# Altium PCB Fri3D_2020_00.PcbDoc (part 1 of 2) (continued)
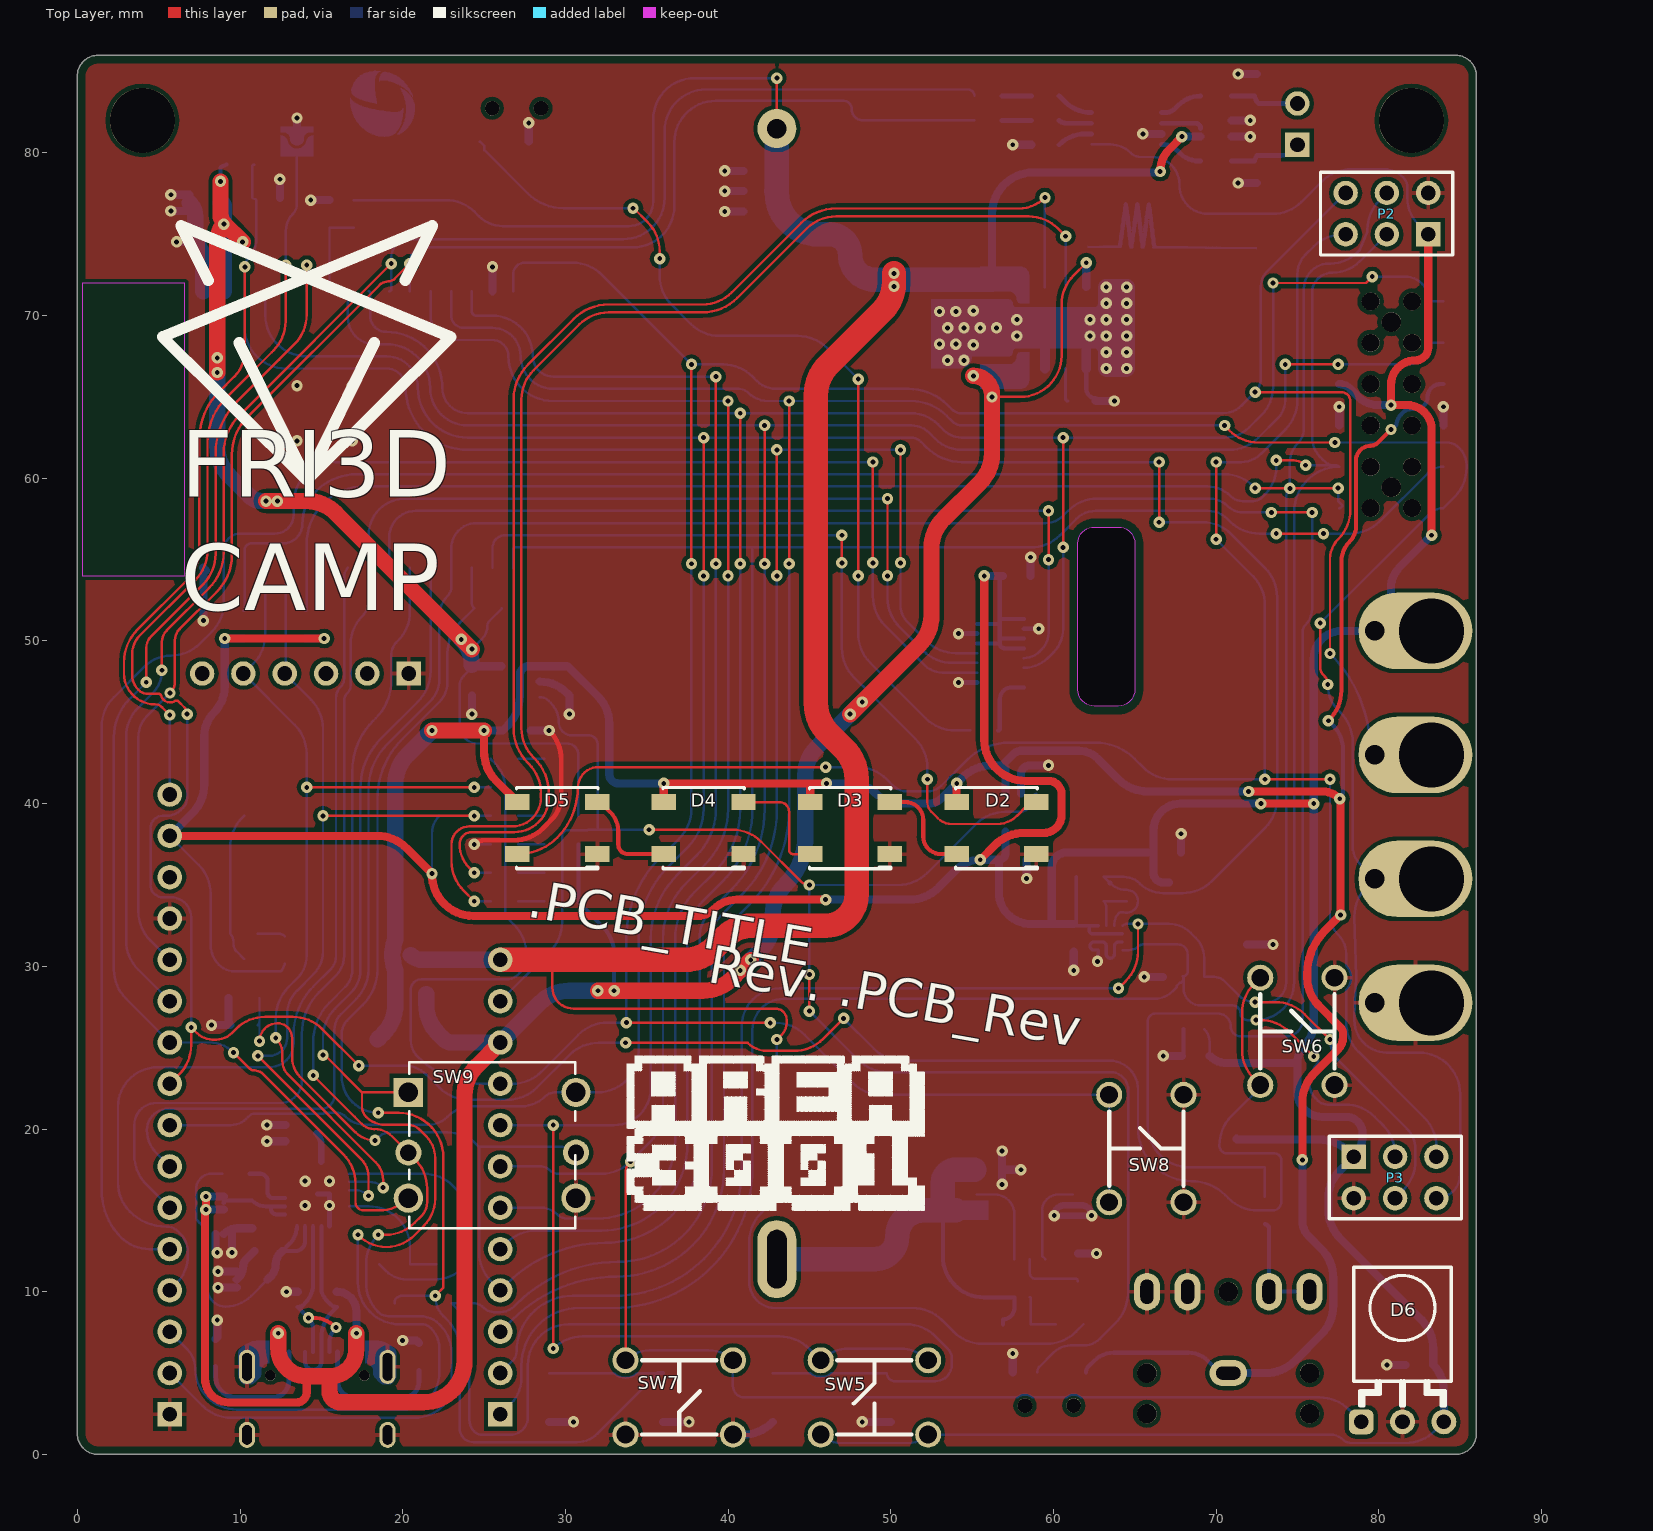
[diagram p0: Top Layer view]
## Footprints (in the part's own frame and the unit in brackets; to place one, negate y for a bottom-side part, rotate by r counter-clockwise, add the part's x,y. Pads: shape width x height; smd on the part's side, far side on the other; paste and mask are expansions set on the pad) (continued)
SMA_AC [mm] "DO-214AC or SMA footprint with A and C pads"
  rect 2.6x1.7 smd: A(-2.05,0) C(2.05,0)
  silkscreen extent -2.3,-1.45 2.3,1.45, body extent -2.6,-1.3 2.6,1.3, height 2.3
SOIC_N_8 [mm] "150 mil body width"
  oval 2.2x0.6 smd: 1(-2.4,1.905) 2(-2.4,0.635) 3(-2.4,-0.635) 4(-2.4,-1.905) 5(2.4,-1.905) 6(2.4,-0.635) 7(2.4,0.635) 8(2.4,1.905)
  silkscreen extent -2.53,-2.5 0.9,2.88, body extent -3,-2.45 3,2.45, height 1.75
SOIC_N_8_TH [mm] "150 mil body width with Exposed Thermal Pad"
  oval 2x0.6 smd: 1(-2.5,1.905) 2(-2.5,0.635) 3(-2.5,-0.635) 4(-2.5,-1.905) 5(2.5,-1.905) 6(2.5,-0.635) 7(2.5,0.635) 8(2.5,1.905)
  rect 2.41x3.3 smd: 9(0,0)
  silkscreen extent -2.52,-2.5 0.9,2.88, body extent -3,-2.45 3,2.45, height 1.75
SOLDER_SW_V_1MM [mm] "1 mm Custom solder switch"
  round 0.5 smd mask+0.05: 1(0,0)
  rect 1x0.4 smd mask+0.05: 2(0,-1)
  Top Layer region: -1,-1.2 -1,-0.7 -1,0.074 -0.831,0.043 -0.69,-0.054 -0.6,-0.2 -0.6,-0.2 -0.497,-0.47 -0.28,-0.661 0,-0.73 0.28,-0.661 0.497,-0.47 0.6,-0.2 0.6,-0.2 0.69,-0.054 0.832,0.043 1,0.074 1,0.074 1,-0.7 1,-1.2
  Top Layer region: -1.01,0.275 -1.01,0.6 1,0.6 1,0.275 0.767,0.269 0.56,0.162 0.42,-0.025 0.42,-0.025 0.408,-0.239 0.294,-0.42 0.107,-0.524 -0.107,-0.524 -0.294,-0.42 -0.408,-0.239 -0.42,-0.025 -0.42,-0.025 -0.563,0.163 -0.773,0.271 -1.01,0.275
SOT23-3 [mm] "SOT-23; 3 Leads; Body 3.1 x 2.5 mm, inc. leads (LxW max)"
  rect 0.85x1 smd: 1(-0.95,-1.2) 2(0.95,-1.2) 3(0,1.2)
  silkscreen extent -1.27,-0.3 1.28,0.7, body extent -1.5,-1.32 1.5,1.32, height 1.08
SOT23-5 [mm] "SOT23, 5-Leads, Body 3,1x3,2mm (max), Pitch 0,95mm, IPC Medium Density"
  rect 1.15x0.6 smd: 1(-1.175,0.95) 2(-1.175,0) 3(-1.175,-0.95) 4(1.175,-0.95) 5(1.175,0.95)
  silkscreen extent -1.3,-1.55 0.2,1.92, body extent -1.4,-1.45 1.4,1.45, height 1.45
SOT23-6 [mm] "SOT23, 6-Leads, Body 3,1x3,2mm (max), Pitch 0,95mm, IPC Medium Density"
  rect 1.15x0.6 smd: 1(-1.175,0.95) 2(-1.175,0) 3(-1.175,-0.95) 4(1.175,-0.95) 5(1.175,0) 6(1.175,0.95)
  silkscreen extent -1.3,-1.55 0.2,1.92, body extent -1.5,-1.55 1.5,1.55, height 1.4
STM_LGA12_2x2 [mm] "STM LGA12 2x2"
  rect 0.275x0.25 smd: 1(-0.75,0.75) 2(-0.75,0.25) 3(-0.75,-0.25) 4(-0.75,-0.75) 7(0.75,-0.75) 8(0.75,-0.25) 9(0.75,0.25) 10(0.75,0.75)
  rect 0.25x0.275 smd: 5(-0.25,-0.75) 6(0.25,-0.75) 11(0.25,0.75) 12(-0.25,0.75)
  silkscreen extent -1.35,-1 1,1.35, body extent -1.07,-1.08 1.07,1.07, height 1
TACTSW [mm]
  round 1.6 hole 1.1: 1(-2.286,3.302) 1(-2.286,-3.302) 2(2.286,3.302) 2(2.286,-3.302)
  silkscreen extent -2.29,-2.29 2.29,2.29, body extent -3.1,-3.95 3.1,3.95, height 4.31
TACTSW_5W_K1-1506DN-01 [mm] "5W TH TACT SW"
  rect 1.8x1.8 hole 1.2: 1(-5.15,3.25)
  round 1.6 hole 1: 2(-5.15,-0.45) 5(5.15,-0.45)
  round 1.8 hole 1.2: 3(-5.15,-3.25) 4(5.15,-3.25) 6(5.15,3.25)
  silkscreen extent -5.1,-5.1 5.1,5.1, body extent -5.1,-5.1 5.1,5.1, height 10
TP_0.8mm [mm] "0.8mm pad"
  round 0.8 smd mask+0.05: 1(0,0)
  silkscreen extent -0.5,-0.5 0.5,0.5
TSSOP_8_65P [mm] "TSOP, 8-Leads, Body 3,00x4,40mm, Pitch 0,65mm,  IPC Medium Density"
  oval 1.4x0.45 smd: 1(-2.95,0.975) 2(-2.95,0.325) 3(-2.95,-0.325) 4(-2.95,-0.975) 5(2.95,-0.975) 6(2.95,-0.325) 7(2.95,0.325) 8(2.95,0.975)
  silkscreen extent -3.07,-1.57 1.85,1.87, body extent -3.2,-1.5 3.2,1.5, height 1.2
VIS_TSOP381x_BENT [mil] "Vischay IR Receiver bent"
  rrect50% 60x60 hole 35.43: 1(-100,0)
  round 60 hole 35.43: 2(0,0) 3(100,0)
  silkscreen extent -118,39 118,374, body extent -122,-51 122,374, height 244
WE_430181038816 [mm] "Miniature SMD TACT SW"
  rect 2x1.4 smd: 1(-3.5,1.5) 1(3.5,1.5) 2(-3.5,-1.5) 2(3.5,-1.5)
  silkscreen extent -2.35,-2.35 2.35,2.35, body extent -3.75,-2.25 3.75,2.25, height 3.8
WE_450404015514 [mm] "=Comment"
  rect 0.7x1.1 smd: 1(2.25,-2.05) 2(-0.75,-2.05) 3(-2.25,-2.05)
  round 0.9 hole 0.9 unplated: M1(-1.5,0) M2(1.5,0)
  rect 1x0.8 smd: M3(-3.75,1.15) M4(3.75,1.15) M5(-3.75,-1.15) M6(3.75,-1.15)
  silkscreen extent -3.1,-1.35 3.1,2.85, body extent -3.85,-2.25 3.85,2.88, height 1.42
WE_610312243021_POST [mm] "Connector; Receptable; 6x2 Position SMD Low Profile"
  rect 0.9x2 smd: 1(-6.35,-3.2) 2(-6.35,3.2) 3(-3.81,-3.2) 4(-3.81,3.2) 5(-1.27,-3.2) 6(-1.27,3.2) 7(1.27,-3.2) 8(1.27,3.2) 9(3.81,-3.2) 10(3.81,3.2) 11(6.35,-3.2) 12(6.35,3.2)
  round 1.1 hole 1.1 unplated: ""(-6.35,-1.27) ""(-6.35,1.27) ""(-3.81,-1.27) ""(-3.81,1.27) ""(-1.27,-1.27) ""(-1.27,1.27) ""(1.27,-1.27) ""(1.27,1.27) ""(3.81,-1.27) ""(3.81,1.27) ""(6.35,-1.27) ""(6.35,1.27)
  round 1.2 hole 1.2 unplated: ""(-5.08,0) ""(5.08,0)
  silkscreen extent -7.87,-2.54 7.87,2.54, body extent -7.62,-3.6 7.62,3.6, height 3.7
WE_620102131822 [mm]
  rect 1.5x3.4 smd: 1(0,0) 2(2,0)
  rect 1.4x3.1 smd: M1(-2.3,-5.65) M2(4.3,-5.65)
  silkscreen extent -3,-7.23 5,0.37, body extent -3,-7.23 5,1.37, height 5.65

## Part data
BAT1: library part "18650 Battery holder spring CN", "=Description", Supplier Part Number 1=39761834568, Supplier 1=TaoBao
BUZ1: library part "BUZ # CUI CMT-1203-SMT", "Crystal Oscillator", Supplier Part Number 1=102-2197-1-ND, Supplier 1=Digikey, Supplier 2=Aliexpress, Supplier Part Number 2=KLJ-1230
C1 C2 C3 C4 C5 C6 C8 C10 C19 C21: library part "CAP # 100nF 16V 0603", "Capacitor Ceramic"
C7 C9 C11 C16 C17 C18 C26: library part "CAP # 10uF 10V 0805", "Capacitor Ceramic", Supplier Part Number 1=2320859, Supplier 1=Farnell
C12 C13 C14 C15 C20: library part "CAP # 1uF 16V 0603", "Capacitor Ceramic", Supplier Part Number 1=2320814, Supplier 1=Farnell
C22 C23: library part "CAP # 100nF 50V 0603", "Capacitor Ceramic", Supplier Part Number 1=1759122, Supplier 1=Farnell
C24 C25: library part "CAP # 1nF 16V 0603", "Capacitor Ceramic"
C27: library part "CAP # 1uF 50V 0603", "Capacitor Ceramic", Supplier Part Number 1=2112858, Supplier 1=Farnell
D1: library part "TVS # IP4220CZ6 Dual USB", "=Description", Supplier Part Number 1=2143248, Supplier 1=Farnell
D2 D3 D4 D5: library part "LED # RGB WS2812B-5050 BL", "=Description", Supplier Part Number 1="WS2812B Black 5050", Supplier 1=Aliexpress
D6: library part "PHO IR Rx RA", "=Description", Supplier Part Number 1=C264262, Supplier 1=LCSC
D11 D12 D16: library part "LED # Red 0805", "=Description", Supplier Part Number 1=2099236, Supplier 1=Farnell
D13 D15: library part "LED # Green 0805", "=Description", Supplier Part Number 1=2099239, Supplier 1=Farnell
D14: library part "LED # Blue 0805", "=Description", Supplier Part Number 1=2217980, Supplier 1=Farnell
D17: library part "Schottky # MBRA210LT3G", "=Description"
F1 F2: library part "FER # 600R 2A 0805 0R10", Supplier Part Number 1=1838838, Supplier 1=Farnell
J1: library part "AUDIO JACK 3.5 3c SJ1-3525NG", "=Description", Supplier Part Number 1=CP1-3525NG-ND, Supplier 1=Digi-key
J2: library part "USB # C 2.0 RCPT TYPE-C-31-M-12", Supplier Part Number 1="HRO TYPE-C-31-M-12", Supplier 1=China, Supplier 2=LCSC, Supplier 3="LCSC ALT", Supplier Part Number 2=C165948, Supplier Part Number 3="C167321 / C319148"
MOD1: library part "WiFi # MOD ESP-WROVER-32", "WiFi # MOD ESP-WROVER-32", Supplier Part Number 1=ESP-WROVER-32, Supplier 1=Espressif
P1: library part "SOLDER SW V 1MM"
P2 P3: library part "Receptacle 2.54mm dual row 6way"
P4: library part "Pin Header 2.54mm 12way"
P5: library part "Pin Header 2.54mm 16way"
P6: library part "HDR # SHR 2.0mm 2way - 620102131822", Supplier 1=Wurth
P7: library part "Pin Header 2.54mm 6way"
P8: library part "FPC # 15 Bottom 0.3mm AFE03-S15FMA-1H", Supplier Part Number 1=C262541, Supplier 1=LCSC
P9: library part "Receptacle # 2.54mm dual row 12way 610312243021", Supplier Part Number 1=610312243021, Supplier 1=Wurth
P10: library part "Pin Header 2.54mm 2way"
R1 R2 R4 R5 R6 R7 R11 R12 R13 R14 R15: library part "RES # 5K1 0603", Supplier Part Number 1=2845922, Supplier 1=Farnell
R3 R16 R18 R19 R20 R21 R23 R24 R25 R26: library part "RES # 1K2 0603"
R8 R9 R10 R28: library part "RES # 100R 0603"
R17 R22: library part "RES # 100K 0603"
R27: library part "RES # 0R 0603", Supplier Part Number 1=2447743, Supplier 1=Farnell
R29 R30: library part "RES # 10K 0603", Supplier Part Number 1=2502397, Supplier 1=Farnell
SW1 SW3: library part "SW # TACT small 4.5x4.5mm SMD WS-TASV"
SW2 SW4: library part "SW # 1P2T WS-SLSU mini slide 6,7 x 2,7 mm"
SW5 SW6 SW7 SW8: library part "SW TACT"
SW9: library part "SW TACT 5W K1-1506DN-01", Supplier Part Number 1=C145911, Supplier 1=LCSC
T1: library part "FS8205A Dual N-Ch common Drain for DW01-P", "=Description", Supplier Part Number 1=FS8205A, Supplier 1=AliExpress
T2 T3 T4: library part "BSS138 N-Ch MOSFET 0.2A 3.2Vgs 60Vds", Supplier Part Number 1=2432717, Supplier 1=Farnell
T5: library part "SL2302 P-Ch MOSFET 4.1A 20Vds", "=Description"
TP1 TP2 TP3 TP4 TP11: library part "TP # 0.8mm"
U1: library part "CRYPTO # ATECC608A I2C SOIC-8", "=Description", Supplier Part Number 1=2920872, Supplier 1=Farnell, Supplier 2=Digi-key, Supplier 3=Mouser, Supplier Part Number 2=ATECC608A-SSHDA-TCT-ND, Supplier Part Number 3=556-ATECC608ASSHDAT
U2: library part "ACCELERO # LIS2DH12", "=Description"
U3: library part "CP2102N # QFN24 USB UART", "=Description", Supplier Part Number 1=2577278, Supplier 1=Farnell, Supplier 2=Digikey, Supplier Part Number 2=336-3693-ND
U4 U5: library part "LDO # 3V3 XC6210B33", "=Designator", Supplier Part Number 1=1057803, Supplier 1=Farnell
U6: library part "CHG # TP4056 LiIon 1A", "=Description", Supplier Part Number 1=TP4056, Supplier 1=Aliexpress
U7: library part "TMP HUM # AHT10", "=Description"
U8: library part "PWR # DW01-P Lithium protection", "=Description", Supplier Part Number 1=DW01-P, Supplier 1=Aliexpress
U9: library part "AMP # AUDIO NS4150B", "=Description", Supplier Part Number 1=C189961, Supplier 1=LCSC

## Free pads (board coordinates)
  round 4 hole 4 unplated mask+1: 0(4,82) 0(82,82)
  round 0 hole 3 unplated mask+0.2: 0(93,10) 0(93,70)
  round 1.8 hole 1.2: 1(79.75,50.62) 2(79.75,43) 3(79.75,35.38) 4(79.75,27.76)
  oval 7x4.7 hole 4 copper offset -1,0: 1(83.25,50.62) 2(83.25,43) 3(83.25,35.38) 4(83.25,27.76)

## Via types
v1: diameter 0.7, hole 0.3, Top Layer to Bottom Layer, tented top, 254 vias

## Nets (pads, with @x,y where several pads share a name; then routed paths per layer and width w, separated by ;. In a path a pad name is that pad's centre, name@x,y a point inside that pad or via, vN(x,y) a via of type N, cw(c..) or ccw(c..) an arc to the next point about the centre after c; other vN are vias at no path point)
3V3_AUX: BUZ1.1 C1.1 C2.1 C3.1 C4.1 C15.1 C19.1 D6.3 P2.1 P3.1 P5.15 P8.1 P8.2 P8.5 P8.6 P8.7 P9.7 pad.1 R1.1 R2.1 R6.1 R7.1 R9.1 R14.1 R15.1 SW5.1 TP1.1 U1.8 U2.2 U2.9 U2.10 U5.5 U7.4 U9.1 | length 343
  Top Layer w0.5: P5.15@5.68,38.02 18.428,38.02 cw(c18.428,35.48) 20.224,37.276 v1(21.8,35.7) ccw(c24.353,35.654) 24.353,33.1 24.356,33.1 37.7,33.1 38.134,33.1 ccw(c38.134,34.466) 39.1,33.5 cw(c40.549,32.051) 40.549,34.1 v1(46,34.1) ; v1(9.06,50.15) v1(15.17,50.15) ; v1(55.5,36.55) 56.406,37.456 cw(c58.202,35.66) 58.202,38.2 59.4,38.2 ccw(c59.4,39.3) 60.5,39.3 60.5,40.6 ccw(c59.7,40.6) 59.7,41.4 58.29,41.4 cw(c58.29,43.94) 55.75,43.94 v1(55.75,54) ; v1(72.75,40) v1(76,40) ; P2.1@83.04,75 83.04,68.04 cw(c82.25,68.04) 82.25,67.25 ccw(c82.25,65.75) 80.75,65.75 v1(80.75,64.5) 81.75,64.5 cw(c81.75,63) 83.25,63 v1(83.25,56.5)
  Bottom Layer w0.15: P5.15@5.68,38.02 7.456,36.244 cw(c5.66,34.448) 8.2,34.448 8.2,31.307 ccw(c9.907,31.307) 8.7,30.1 ccw(c9.666,31.066) 9.666,29.7 12.43,29.7 ccw(c12.43,29.928) 12.562,29.742 12.594,29.774 R9.1@12.75,30.15 ; v1(21.8,35.7) 21.8,38.164 cw(c23.336,38.164) BUZ1.1@22.25,39.25 ; SW5.1@45.698,1.214 ccw(c46.939,2.455) 46.939,0.7 51.061,0.7 ccw(c51.061,2.455) SW5.1@52.302,1.214 77.042,1.214 cw(c77.042,0.142) 77.8,0.9 ccw(c78.283,1.383) 78.283,0.7 81.648,0.7 ccw(c81.648,3.24) 83.444,1.444 D6.3@84,2 ; U9.1@62.35,80.525 63.483,80.525 cw(c63.483,78.733) 64.75,80 ccw(c65.354,80.604) 65.354,79.75 66.043,79.75 cw(c66.043,78.043) 67.25,79.25 cw(c66.043,78.043) 67.75,78.043 67.75,78 ccw(c69.5,78) 69.5,76.25 73.448,76.25 ccw(c73.448,78.79) 75.244,76.994 76.506,78.256 cw(c78.302,76.46) 78.302,79 80.293,79 cw(c80.293,77.293) 81.5,78.5 cw(c80.896,77.896) 81.75,77.896 81.75,77.25 ccw(c84.068,77.25) 82.429,75.611 P2.1@83.04,75 ; U7.4@69.27,26.15 cw(c68.473,25.353) 69.6,25.353 C19.1@69.6,24.5
  Bottom Layer w0.2: R6.1@61.4,35.5 R7.1@61.4,34 61.4,32.75 cw(c61.25,32.75) C2.1@61.25,32.6 ccw(c61.35,32.6) 61.35,32.5 62.2,32.5 ; U2.10@62.75,32.5 62.2,32.5 ; U2.2@64.25,32 U2.9@62.75,32 62.4,32 cw(c62.4,32.2) 62.2,32.2 62.2,32.5
  Bottom Layer w0.25: P8.6@55.312,49.85 56.7,49.85 ; P8.2@55.312,51.05 56.7,51.05 ; C3.1@56.9,54 56.7,53.8 56.7,51.35 ; P8.7@58.187,49.55 57,49.55 cw(c57,49.85) 56.7,49.85 ; P8.5@58.187,50.15 56.7,50.15 ; P8.1@58.187,51.35 56.7,51.35 ; 56.7,49.85 56.7,50.15 ; 56.7,50.15 56.7,51.05 ; 56.7,51.05 56.7,51.35
  Bottom Layer w0.5: P5.15@5.68,38.02 7.056,39.396 ccw(c5.26,41.192) 7.8,41.192 7.8,44.151 cw(c9.849,44.151) 8.4,45.6 ccw(c6.806,47.194) 9.06,47.194 9.06,47.975 ; 9.06,47.984 cw(c10.21,48) 9.06,48.016 ccw(c8.56,48.023) 9.06,48.025 v1(9.06,50.15) R15.1@10.21,50.15 ; R14.1@14.02,50.15 v1(15.17,50.15) ; v1(46,34.1) 51.148,34.1 ccw(c51.148,36.64) 52.944,34.844 54.049,35.949 cw(c55.5,34.498) v1(55.5,36.55) C15.1@56.65,36.55 ; v1(55.75,54) C3.1@56.9,54 ; U5.5@57.05,38.275 57.05,36.95 cw(c56.65,36.95) C15.1@56.65,36.55 ; C2.1@61.25,32.6 59.949,32.6 ; U1.8@67.1,35.155 66.745,35.155 cw(c66.745,35.75) 66.15,35.75 C1.1@66.15,37 ; C19.1@69.6,24.5 ccw(c70.683,25.583) 70.683,24.051 75,24.051 ; R1.1@71.25,19.4 ccw(c71.371,19.521) 71.371,19.35 R2.1@73,19.35 76.348,19.35 cw(c76.348,16.81) 78.144,18.606 P3.1@78.46,18.29 ; v1(72.75,40) 67.8,40 ccw(c67.8,38.35) 66.15,38.35 C1.1@66.15,37 ; P9.7@77.57,65.79 cw(c77.57,64.848) 78.236,65.514 78.75,65 ccw(c79.957,66.207) 79.957,64.5 v1(80.75,64.5) ; v1(83.25,56.5) 81.28,54.53 ccw(c82.561,53.25) 80.75,53.25 80.75,51.62 cw(c79.75,51.62) pad.1@79.75,50.62 77.72,50.62 ccw(c77.72,48.9) 76,48.9 v1(76,40) 76,26.457 cw(c74.293,26.457) 75.5,25.25 75.494,25.244 ccw(c76.686,24.051) 75,24.051 ; D6.3@84,2 84,3.931 ccw(c81.781,3.931) C4.1@83.35,5.5 83.35,6.498 ccw(c80.81,6.498) 82.606,8.294 77.644,13.256 cw(c79.44,15.052) 76.9,15.052 76.9,15.8 cw(c79.145,15.8) 77.557,17.387 P3.1@78.46,18.29 ; C15.1@56.65,36.55 56.65,34.528 ccw(c58.528,34.528) 57.2,33.2 ccw(c58.648,34.648) 58.648,32.6 59.949,32.6 ; 59.949,32.6 cw(c59.949,32.649) 59.9,32.649 59.9,36.1 cw(c60.8,36.1) 60.8,37 C1.1@66.15,37 ; 75,24.051 75,24.05 75,22.25 ccw(c76.5,22.25) 76.5,20.75 78,20.75 cw(c78,19.75) 79,19.75 79,19.594 cw(c77.156,19.594) P3.1@78.46,18.29
3V3_ESP: C6.1 C7.1 C13.1 D11.1 D12.1 D13.1 MOD1.2 R12.1 R13.1 U4.5 | length 74
  Top Layer w1: v1(8.6,66.5) v1(8.6,67.4) 8.6,74.586 cw(c10.107,74.586) v1@9.042,75.651 ; v1(8.8,78.248) 8.8,76.234 ccw(c9.624,76.234) v1@9.042,75.651 ; v1(10.162,74.531) v1@9.042,75.651 ; v1(11.6,58.6) v1(12.3,58.6) 14.098,58.6 cw(c14.098,56.06) 15.894,57.856 v1(24.25,49.5)
  Bottom Layer w0.15: 23.5,47.257 23.5,44.8 ccw(c24.6,44.8) 24.6,43.7 30.1,43.7 cw(c30.1,43) 30.8,43 D11.1@30.8,42.75 D12.1@30.8,41 D13.1@30.8,39.25 ; 23.5,47.259 cw(c24.324,47.259) 23.742,47.842 C13.1@24.25,48.35 C13.1@24.25,48.45 ; v1(24.25,49.5) 24.882,50.132 ccw(c24.113,50.9) 25.2,50.9 cw(c25.683,50.9) 25.342,51.242 R12.1@26.1,52
  Bottom Layer w0.25: v1(8.8,78.248) 8.8,79.064 8.824,79.138 R13.1@9.17,79.281
  Bottom Layer w0.5: C7.1@8.8,76.931 v1(8.8,78.248) ; C6.1@9.012,74.531 v1(10.162,74.531) ; C13.1@24.25,48.35 cw(c24.491,48.109) 24.491,48.45 U4.5@26.075,48.45 ; C13.1@24.25,48.45 24.25,48.531 v1(24.25,49.5)
  Bottom Layer w1: v1(8.6,67.4) v1(8.6,66.5) 8.6,61.952 ccw(c11.14,61.952) 9.344,60.156 10.6,58.9 ccw(c11.324,59.624) 11.324,58.6 v1(11.6,58.6) v1(12.3,58.6) ; C7.1@8.8,76.931 cw(c8.8,76.719) 9.012,76.719 v1(9.012,75.625) 9.012,74.531 MOD1.2@9.012,71.5 ; v1(23.6,50.1) cw(c22.031,48.531) C13.1@24.25,48.531
3V3_USB: C10.1 C11.2 R16.1 U3.5 U3.6 | length 19.9
  Bottom Layer w0.15: R16.1@8.9,17.25 8.249,17.25 ccw(c8.249,16.301) 7.3,16.301 7.3,14.636 ccw(c7.749,14.636) 7.431,14.319 7.5,14.25 cw(c6.293,13.043) 8,13.043 8,10.196 ccw(c9.109,10.196) 9.109,9.087 ccw(c9.109,11.329) 10.694,9.744 C11.2@11.7,10.75
  Bottom Layer w0.25: U3.6@13.5,14.025 cw(c11.991,14.025) 13.058,12.958 C10.1@12.6,12.5 13.4,12.5 ccw(c13.4,13.1) 14,13.1 U3.5@14,14.025
  Bottom Layer w0.5: C11.2@11.7,10.75 11.882,10.932 ccw(c11.114,11.7) 12.2,11.7 cw(c13.165,11.7) 12.483,12.383 C10.1@12.6,12.5
ACC.INT2: R7.2 TP11.1 U2.11 | length 2.9
  Bottom Layer w0.15: U2.11@63.25,32.5 63.25,33.638 ccw(c62.738,33.638) R7.2@63.1,34 TP11.1@64.5,34
Audio_N: R29.2 U9.4 | length 2.3
  Bottom Layer w0.3: R29.2@60.35,83.5 60.686,83.164 ccw(c62.35,84.829) U9.4@62.35,82.475
Audio_P: R30.2 U9.3 | length 2
  Bottom Layer w0.3: R30.2@60.35,82 ccw(c60.772,82.422) 60.772,81.825 U9.3@62.35,81.825
BAT.MON: MOD1.7 R17.2 R22.1 | length 5.5
  Bottom Layer w0.15: MOD1.7@15.362,71.5 ccw(c15.362,71.638) 15.5,71.638 R22.1@15.5,75.4 R17.2@17,75.4
C\H\R\G\: R25.2 U6.7 | length 76.9
  Top Layer w0.15: v1(24.4,35.75) 24.101,36.049 cw(c25.552,37.5) 23.5,37.5 cw(c24.25,37.5) 24.25,38.25 26.859,38.25 ccw(c26.859,40.374) 28.983,40.374 28.983,40.648 ccw(c25.96,40.648) 28.098,42.786 28.042,42.842 cw(c29.832,44.632) 27.3,44.632 27.3,64.848 cw(c29.84,64.848) 28.044,66.644 30.856,69.456 cw(c32.652,67.66) 32.652,70.2 38.431,70.2 ccw(c38.431,73.223) 40.569,71.085 44.839,75.356 cw(c46.636,73.56) 46.636,76.1 58.477,76.1 cw(c58.477,73.56) 60.273,75.356 v1(60.75,74.879)
  Bottom Layer w0.15: v1@24.4,35.75 R25.2@25.4,35.75 ; U6.7@60.75,71.75 v1(60.75,74.879)
CP2102.DTR: T3.1 T4.2 U3.23 | length 7.8
  Bottom Layer w0.15: U3.23@16.725,15.25 17.91,15.25 cw(c17.91,12.71) 20.45,12.71 T4.2@20.45,11.7 T3.1@22.05,11.7
CP2102.RTS: T3.2 T4.1 U3.19 | length 17.6
  Bottom Layer w0.15: U3.19@16.725,17.25 21.298,17.25 cw(c21.298,14.71) 23.094,16.506 23.4,16.2 cw(c22.072,14.872) 23.95,14.872 T3.2@23.95,11.7 23.744,11.494 cw(c21.948,13.29) 21.948,10.75 20.25,10.75 cw(c20.25,12.561) 18.97,11.28 T4.1@18.55,11.7
DNU_SPI.CLK: MOD1.20
DNU_SPI.CS0: MOD1.19
DNU_SPI.D: MOD1.22
DNU_SPI.HD: MOD1.17
DNU_SPI.Q: MOD1.21
DNU_SPI.WP: MOD1.18
ESP.BOOT: MOD1.25 R12.2 SW3.1 T4.3 | length 84.7
  Top Layer w0.15: v1(18.5,21) 19.75,21 cw(c19.75,18.25) 22.5,18.25 22.5,10.25 v1(22,9.75)
  Bottom Layer w0.15: v1(18.5,21) cw(c18.5,23.25) 16.25,23.25 16.25,25.853 cw(c17.397,25.853) 16.586,26.664 17.54,27.618 ccw(c15.341,29.816) 18.45,29.815 18.45,40.268 cw(c23.721,40.267) 19.994,43.994 22.25,46.25 ccw(c21.043,47.457) 22.75,47.457 22.75,49.298 cw(c22.9,49.298) 22.752,49.32 22.883,50.206 cw(c23.6,50.1) 23.048,50.57 23.486,51.086 cw(c23.601,50.989) 23.495,51.095 R12.2@24.4,52 cw(c24.757,52.357) 24.252,52.357 MOD1.25@24.252,54.5 ; T4.3@19.5,9.3 cw(c19.95,9.3) 19.95,9.75 v1(22,9.75) 22,9.707 ccw(c23.707,9.707) 22.5,8.5 22.756,8.244 cw(c20.96,6.448) 23.5,6.448 23.5,1.604 ccw(c24.354,1.604) 23.75,1 ccw(c24.354,1.604) 24.354,0.75 30.698,0.75 ccw(c30.698,2.566) 31.982,1.282 35.7,5 34.525,5 ccw(c34.524,4.75) 34.368,4.945 cw(c33.698,5.786) 33.028,4.945 ccw(c32.872,4.75) 32.871,5 SW3.1@29,5
  Bottom Layer w0.25: SW3.1@35.7,5 SW3.1@36,5
ESP.IO2: D2.4 MOD1.24 | length 49.3
  Top Layer w0.15: v1(47,54.8) v1(47,56.5) ; v1(52.25,41.5) 52.25,40.104 ccw(c53.104,40.104) 52.5,39.5 52.896,39.104 ccw(c53.75,39.957) 53.75,38.75 56.543,38.75 ccw(c56.543,40.457) 57.75,39.25 58.353,39.853 cw(c58.95,39.255) D2.4@58.95,40.1
  Bottom Layer w0.15: MOD1.24@25.522,54.5 25.522,55.722 cw(c26.3,55.722) 26.3,56.5 v1(47,56.5) ; v1(47,54.8) 47,49.552 ccw(c49.54,49.552) 47.744,47.756 ccw(c47.85,47.862) 47.746,47.754 48.755,46.77 cw(c48.25,46.25) 48.766,46.759 51.505,43.995 51.506,43.994 cw(c49.71,42.198) 52.25,42.198 v1(52.25,41.5)
ESP.IO4: MOD1.26 P5.7 R2.2 R3.1 | length 165.4
  Top Layer w0.15: v1(73.4,57.9) v1(75.9,57.9)
  Bottom Layer w0.15: P5.7@5.68,17.7 4.865,18.515 cw(c6.286,19.935) 4.277,19.934 cw(c5.592,19.935) 5.592,21.25 15,21.25 ccw(c15,22.05) 15.8,22.05 15.8,26.094 cw(c17.156,26.094) 16.197,27.053 17.151,28.006 ccw(c15.341,29.816) 17.9,29.816 17.9,40.884 cw(c21.8,40.884) 19.042,43.642 21.7,46.3 ccw(c20.373,47.627) 22.25,47.627 22.25,51.543 cw(c23.957,51.543) 22.75,52.75 ccw(c22.19,53.31) 22.982,53.31 MOD1.26@22.982,54.5 22.982,55.682 cw(c24.55,55.682) 24.55,57.25 59.514,57.25 ccw(c59.514,58.786) 60.6,57.7 60.906,58.006 cw(c62.702,56.21) 62.702,58.75 69.614,58.75 cw(c69.614,57.214) 70.7,58.3 ccw(c71.666,59.266) 71.666,57.9 v1(73.4,57.9) ; R3.1@73,15.85 R2.2@73,17.65 68.367,17.65 cw(c68.367,20.217) 65.8,20.217 65.8,26.627 cw(c66.273,26.627) 66.273,27.1 70.1,27.1 cw(c70.1,26.3) 70.9,26.3 ccw(c71.5,26.3) 71.5,25.7 74.3,25.7 ccw(c74.3,26.727) 75.327,26.727 75.327,29.272 75.327,49.961 75.327,50.583 cw(c75.917,50.583) 75.5,51 ccw(c74.534,51.966) 75.9,51.966 v1(75.9,57.9)
ESP.IO5: MOD1.29 P8.9 | length 53.2
  Top Layer w0.15: v1(59.7,55) v1(59.7,58)
  Bottom Layer w0.15: MOD1.29@19.172,54.5 19.172,56.372 cw(c20.8,56.372) 20.8,58 v1(59.7,58) ; P8.9@58.187,48.95 ccw(c58.187,50.308) 59.148,49.348 59.275,49.475 ccw(c58.25,50.501) 59.7,50.501 v1(59.7,55)
ESP.IO12: MOD1.14 P4.8 SW5.2 | length 111.9
  Top Layer w0.15: v1(29.256,6.506) v1(29.256,20.244) ; v1(39.25,54.75) v1(39.25,66.25)
  Bottom Layer w0.15: MOD1.14@24.252,71.5 24.252,70.248 ccw(c24.5,70.248) 24.5,70 25.5,70 cw(c25.5,67.5) 28,67.5 ccw(c29.25,67.5) 29.25,66.25 v1(39.25,66.25) ; P4.8@26,20.24 32.99,20.24 ccw(c32.99,22.5) 35.25,22.5 35.25,31.698 cw(c40.79,31.698) 36.873,35.615 38.067,36.809 ccw(c35.21,39.666) 39.25,39.666 v1(39.25,54.75) ; v1@29.25,6.5 v1(29.256,6.506) cw(c31.052,4.71) 31.052,7.25 43.182,7.25 cw(c43.182,4.71) 44.978,6.506 SW5.2@45.698,5.786 cw(c47.422,4.062) 47.422,6.5 50.578,6.5 cw(c50.578,4.062) SW5.2@52.302,5.786
ESP.IO13: MOD1.16 P2.6 P4.9 pad.2 R18.2 SW8.1 TP2.1 | length 213.9
  Top Layer w0.15: v1(33.75,26.54) v1@42.591,26.54 ; v1(37.75,54.75) v1(37.75,67) ; v1(72.4,65.3) 77.7,65.3 cw(c77.7,64.75) 78.25,64.75 78.25,58.052 cw(c75.71,58.052) 77.506,56.256 77.5,56.25 ccw(c78.707,55.043) 77,55.043 v1(77,49.234)
  Bottom Layer w0.15: 24.945,22.78 cw(c24.945,28.482) 20.913,24.451 cw(c21.912,25.449) 20.5,25.449 20.5,28.562 cw(c21.138,28.562) 21.138,29.2 26.376,29.2 ccw(c26.376,30.224) 27.1,29.5 27.176,29.576 ccw(c26.151,30.6) 27.6,30.6 27.6,30.748 ccw(c25.06,30.748) 26.856,32.544 26.6,32.8 cw(c27.324,33.524) 26.3,33.524 26.3,41 ccw(c24.248,41) 25.699,42.451 R18.2@25.4,42.75 ; 24.947,22.78 P4.9@26,22.78 26.728,22.78 ccw(c26.728,25.32) 28.524,23.524 30.796,25.796 cw(c32.592,24) 32.592,26.54 v1(33.75,26.54) 33.75,31.698 cw(c40.79,31.698) 35.812,36.676 37.006,37.87 ccw(c35.21,39.666) 37.75,39.666 v1(37.75,54.75) ; MOD1.16@26.79,71.5 26.79,72.54 cw(c27.5,72.54) 27.5,73.25 30.448,73.25 cw(c30.448,70.71) 32.244,72.506 v1(37.75,67) 39.698,67 cw(c39.698,64.46) 41.494,66.256 41.75,66 ccw(c42.957,67.207) 42.957,65.5 51.094,65.5 cw(c51.094,62.106) 53.494,64.506 53.75,64.25 ccw(c54.354,64.854) 54.354,64 70.4,64 ccw(c70.4,65.69) 71.595,64.495 v1(72.4,65.3) ccw(c71.555,66.145) 72.75,66.145 72.75,71.789 ; v1(42.591,26.529) 42.919,26.529 cw(c42.919,23.989) 42.922,26.529 cw(c42.919,23.989) 44.715,25.785 47.652,22.848 ccw(c49.448,24.644) 49.448,22.104 SW8.1@63.428,22.104 SW8.1@63.428,15.5 ; 72.75,71.79 cw(c74.053,71.79) 73.132,72.712 P2.6@77.96,77.54 ; v1(77,49.234) cw(c71.053,43.287) 79.463,43.289 ccw(c79.75,43.287) pad.2@79.75,43
ESP.IO14: MOD1.13 P3.6 P4.3 P9.2 pad.3 TP3.1 | length 191.2
  Top Layer w0.15: v1(43.75,54.75) v1(43.75,64.75) ; v1(70.526,63.245) 70.505,63.245 70.806,62.944 ccw(c72.602,64.74) 72.602,62.2 v1(77.3,62.2) ; v1(76.4,51.1) 76.4,48.383 ccw(c77.083,48.383) 76.6,47.9 76.688,47.812 cw(c76.176,47.3) 76.9,47.3 76.891,47.3 v1(76.866,47.324)
  Bottom Layer w0.15: MOD1.13@22.982,71.5 22.982,70.018 ccw(c23.75,70.018) 23.75,69.25 25.5,69.25 cw(c25.5,67.5) 27.25,67.5 ccw(c29.25,67.5) 29.25,65.5 40.646,65.5 cw(c40.646,64.646) 41.25,65.25 ccw(c42.457,66.457) 42.457,64.75 v1(43.75,64.75) 51.25,64.75 cw(c51.25,61.655) 53.438,63.843 53.791,63.491 ccw(c54.373,64.073) 54.373,63.25 v1@70.5,63.25 ; P4.3@26,7.54 26.716,8.256 cw(c33.169,1.803) 33.169,10.929 ccw(c33.169,17.51) 39.75,17.51 39.75,31.75 cw(c40.957,31.75) 40.104,32.604 41.343,33.843 ccw(c35.536,39.652) 43.75,39.652 v1(43.75,54.75) ; v1(76.4,51.1) 83.116,57.816 cw(c83.97,56.963) P9.2@83.97,58.17 84.656,58.856 ccw(c82.86,60.652) 85.4,60.652 85.4,60.8 ccw(c83.951,60.8) 84.976,61.824 84.9,61.9 ccw(c84.176,61.176) 84.176,62.2 v1(77.3,62.2) ; v1@76.866,47.263 ccw(c78.965,47.263) 77.481,45.779 77.629,45.631 cw(c75.768,43.77) 78.4,43.77 78.4,37.341 ccw(c79.876,37.341) 78.832,36.298 78.833,36.297 pad.3@79.75,35.38 79.244,34.874 ccw(c81.04,33.078) 78.5,33.078 ccw(c78.65,33.078) 78.5,33.073 78.61,29.342 cw(c77.286,29.302) 78.608,29.22 78.53,27.915 ccw(c81.1,27.76) 78.526,27.819 78.5,26.703 ccw(c78.65,26.7) 78.5,26.7 ccw(c80.5,26.7) 80.5,24.7 82.46,24.7 cw(c82.46,22.16) 85,22.16 85,17.21 cw(c83.54,17.21) P3.6@83.54,15.75 ; v1@76.866,47.264 v1(76.866,47.324) ; pad.3@83.25,35.38 cw(c83.25,35.33) pad.3@83.3,35.33
ESP.IO15: MOD1.23 P4.5 P9.4 | length 113.9
  Top Layer w0.15: v1(73.7,56.6) v1(76.6,56.6)
  Bottom Layer w0.15: P4.5@26,12.62 26.386,13.006 cw(c28.182,11.21) 28.182,13.75 32.197,13.75 ; MOD1.23@26.79,54.5 26.8,54.51 26.8,55.662 26.888,55.75 41.5,55.75 ; 32.198,13.75 ccw(c32.198,19.052) 37.5,19.052 37.5,31.698 cw(c40.79,31.698) 38.464,34.024 39.658,35.218 ccw(c35.21,39.666) 41.5,39.666 41.5,55.75 ; v1(73.7,56.6) 72.652,56.6 cw(c72.652,59.14) 70.856,57.344 70.7,57.5 ccw(c69.493,56.293) 69.493,58 62.607,58 ccw(c62.607,56.293) 61.4,57.5 60.394,56.494 cw(c58.598,58.29) 58.598,55.75 41.5,55.75 ; v1(76.6,56.6) 78.248,56.6 ccw(c78.248,59.14) 80.044,57.344 83.014,60.314 cw(c83.97,59.358) P9.4@83.97,60.71
ESP.IO16: MOD1.27 P5.3 SW9.1 | length 87
  Top Layer w0.15: v1(15.1,24.541) 15.209,24.541 17.5,22.25 ; v1(17.25,13.5) 17.293,13.457 ccw(c19,15.164) 19,12.75 ccw(c19,15.164) 20.707,13.457 21.293,14.043 ccw(c19.586,15.75) 22,15.75 22,18.198 ccw(c20.064,18.198) 21.433,19.567 21,20 ccw(c20.396,19.396) 20.396,20.25 18.957,20.25 cw(c18.957,21.957) 17.75,20.75 cw(c18.354,21.354) 17.5,21.354 17.5,22.25 ; SW9.1@20.35,22.25 17.5,22.25
  Bottom Layer w0.15: P5.3@5.68,7.54 6.741,6.479 cw(c5.512,5.25) 7.25,5.25 ccw(c9.664,5.25) 7.957,3.543 8.006,3.494 ccw(c9.802,5.29) 9.802,2.75 20.293,2.75 ccw(c20.293,4.457) 21.5,3.25 21.506,3.256 ccw(c19.71,5.052) 22.25,5.052 22.25,6.543 ccw(c20.543,6.543) 21.75,7.75 ccw(c21.146,7.146) 21.146,8 19.802,8 cw(c19.802,10.54) 18.006,8.744 17.994,8.756 cw(c19.79,10.552) 17.25,10.552 v1(17.25,13.5) ; v1(15.1,24.541) 15.1,25.612 cw(c17.638,25.612) 15.844,27.406 16.812,28.375 ccw(c15.391,29.795) 17.4,29.795 17.4,40.945 cw(c21.722,40.945) 18.666,44.001 20.922,46.257 ccw(c19.014,48.164) 21.712,48.164 ; 21.712,48.166 MOD1.27@21.712,54.5
ESP.IO17: MOD1.28 P5.2 SW9.2 | length 80.6
  Top Layer w0.15: v1(14.5,23.3) 17.05,20.75 17.482,20.318 ccw(c18.25,21.086) 18.25,20 cw(c18.25,18.431) 19.36,19.54 SW9.2@20.35,18.55 20.756,18.144 cw(c18.96,16.348) 21.5,16.348 21.5,15.5 cw(c20.293,15.5) 21.146,14.646 20.744,14.244 cw(c18.948,16.04) 18.948,13.5 v1(18.5,13.5)
  Bottom Layer w0.15: P5.2@5.68,5 7.686,2.994 ccw(c9.482,4.79) 9.482,2.25 20.698,2.25 ccw(c20.698,4.79) 22.494,2.994 22.75,3.25 ccw(c22.146,3.854) 23,3.854 23,6.25 ccw(c20.586,6.25) 22.293,7.957 22.25,8 ccw(c21.043,6.793) 21.043,8.5 19.104,8.5 cw(c19.104,9.354) 18.5,8.75 18.494,8.756 cw(c20.29,10.552) 17.75,10.552 17.75,11.698 cw(c20.29,11.698) 18.494,13.494 v1(18.5,13.5) ; v1(14.5,23.3) 14.5,25.37 cw(c17.88,25.37) 15.49,27.76 16.473,28.743 ccw(c15.441,29.774) 16.9,29.774 16.9,41.986 cw(c21.297,41.985) 18.188,45.094 18.344,45.25 ccw(c16.036,47.558) 19.3,47.558 19.3,49.176 cw(c20.324,49.176) 19.6,49.9 19.698,49.998 ccw(c17.902,51.794) 20.442,51.794 MOD1.28@20.442,54.5
ESP.IO25: C22.2 MOD1.10 P5.11 | length 98.5
  Top Layer w0.15: v1(5.2,48.2) 5.2,49.948 cw(c6.171,49.948) 5.484,50.634 8.075,53.225 ccw(c5.846,55.457) 9,55.457 9,61.571 cw(c12.209,61.571) 9.94,63.84 v1(19.3,73.2)
  Bottom Layer w0.15: v1(5.2,48.2) cw(c3.174,48.2) 4.606,46.767 3.75,45.911 ccw(c5.561,44.1) 3,44.1 3,31.592 ccw(c5.54,31.592) 3.744,29.796 P5.11@5.68,27.86 ; MOD1.10@19.172,71.5 ccw(c19.172,71.628) 19.3,71.628 v1(19.3,73.2) 19.3,73.6 cw(c20.4,73.6) 20.4,74.7 33.56,74.7 ccw(c33.56,77.24) 36.1,77.24 36.1,81.36 cw(c38.64,81.36) 38.64,83.9 54.75,83.9 cw(c54.75,83.5) C22.2@55.15,83.5
ESP.IO26: C23.2 MOD1.11 P5.12 | length 94.8
  Top Layer w0.15: v1(5.7,46.8) ccw(c4.976,47.524) 6,47.524 6,50.048 cw(c6.971,50.048) 6.284,50.734 8.575,53.025 ccw(c6.346,55.257) 9.5,55.257 9.5,61.471 cw(c12.709,61.471) 10.44,63.74 18.588,71.888 cw(c19.1,71.376) 19.1,72.1 ccw(c19.1,72.684) 19.513,72.271 v1(20.442,73.2)
  Bottom Layer w0.15: P5.12@5.68,30.4 4.494,31.586 cw(c6.29,33.382) 3.75,33.382 3.75,44.1 cw(c5.561,44.1) 4.28,45.38 v1(5.7,46.8) ; MOD1.11@20.442,71.5 v1(20.442,73.2) 20.442,73.342 cw(c21.3,73.342) 21.3,74.2 34.16,74.2 ccw(c34.16,76.74) 36.7,76.74 36.7,80.66 cw(c39.24,80.66) 39.24,83.2 47.1,83.2 cw(c47.1,82.7) 47.6,82.7 ccw(c48.3,82.7) 48.3,82 C23.2@55.15,82
ESP.IO27: D6.1 MOD1.12 P4.7 SW7.1 | length 140.3
  Top Layer w0.15: SW7.1@33.698,5.786 33.698,17.271 cw(c34.729,17.271) v1(34,18) ; v1(40,54) v1(40,64.75)
  Bottom Layer w0.15: MOD1.12@21.712,71.5 21.712,70.038 ccw(c23.25,70.038) 23.25,68.5 25.5,68.5 cw(c25.5,67.5) 26.5,67.5 ccw(c29.25,67.5) 29.25,64.75 v1(40,64.75) ; P4.7@26,17.7 28.517,17.7 cw(c28.517,17.017) 29,17.5 ccw(c29.604,18.104) 29.604,17.25 32.198,17.25 ccw(c32.198,19.79) 33.994,17.994 35.256,19.256 ccw(c33.46,21.052) 36,21.052 36,31.698 cw(c40.79,31.698) 37.403,35.085 38.597,36.279 ccw(c35.21,39.666) 40,39.666 v1(40,54) ; SW7.1@33.698,5.786 cw(c35.18,4.304) 35.18,6.4 38.82,6.4 cw(c38.82,4.304) SW7.1@40.302,5.786 40.302,4.198 ccw(c41,4.198) 41,3.5 57.742,3.5 ccw(c57.742,3.65) 57.834,3.532 cw(c58.25,3) 58.666,3.532 ccw(c58.758,3.65) 58.758,3.5 60.742,3.5 ccw(c60.742,3.65) 60.834,3.532 cw(c61.25,3) 61.666,3.532 ccw(c61.758,3.65) 61.758,3.5 76.368,3.5 cw(c76.368,0.96) 78.164,2.756 D6.1@78.92,2
ESP.IO32: MOD1.8 P4.4 P9.10 R11.1 SW9.5 T2.1 | length 178
  Top Layer w0.15: v1(11.2,25.4) cw(c12.3,25.4) 12.3,26.5 cw(c12.3,25.6) 13.2,25.6 13.2,24.407 ccw(c14.907,24.407) 13.7,23.2 17.105,19.795 ccw(c18.3,20.99) v1(18.3,19.3) ; v1(42.25,54.75) v1(42.25,63.25) ; v1(74.25,67) v1(77.5,67)
  Bottom Layer w0.15: R11.1@11.1,26.385 ccw(c10.858,26.627) R11.1@11.2,26.624 ; v1(11.2,25.4) R11.1@11.2,26.624 ; MOD1.8@16.632,71.5 16.632,69.868 ccw(c18.25,69.868) 18.25,68.25 19,68.25 cw(c19,65.567) 21.683,65.567 ccw(c24,65.567) 24,63.25 v1(42.25,63.25) 51.25,63.25 cw(c51.25,61.655) 52.378,62.783 52.73,62.43 ccw(c54.373,64.073) 54.373,61.75 70.798,61.75 ccw(c70.798,64.29) 72.594,62.494 73.8,63.7 ccw(c72.714,64.786) 74.25,64.786 v1(74.25,67) ; v1(18.3,19.3) 18.447,19.447 cw(c19.3,18.593) 19.3,19.8 22.748,19.8 cw(c22.748,17.26) 24.544,19.056 24.7,18.9 ; SW9.5@30.65,18.55 ccw(c29.805,17.705) 29.805,18.9 24.7,18.9 ; v1(42.25,54.75) 42.25,39.666 cw(c35.21,39.666) 40.188,34.688 38.994,33.494 ccw(c40.79,31.698) 38.25,31.698 38.25,18.803 cw(c32.447,18.803) 32.447,13 ccw(c32.447,4.485) 26.426,10.506 P4.4@26,10.08 25.444,10.636 cw(c27.24,12.432) 24.7,12.432 24.7,18.9 ; v1(77.5,67) 81.748,67 ccw(c81.748,68.33) 83.078,68.33 P9.10@83.97,68.33 ; R11.1@11.2,26.624 ccw(c10.858,26.627) 11.2,26.627 T2.1@11.2,28.05 R11.1@11.2,26.624